# Altium PCB VIA5.PcbDoc
Units mil, origin at the board's own origin, x right, y up, seen from the top; angles counter-clockwise.
Board outline 2558.74 x 2204.72 mil, 2 copper layers (Top Layer, Bottom Layer); 72 components, 58 nets, 354 pads, 305 vias.
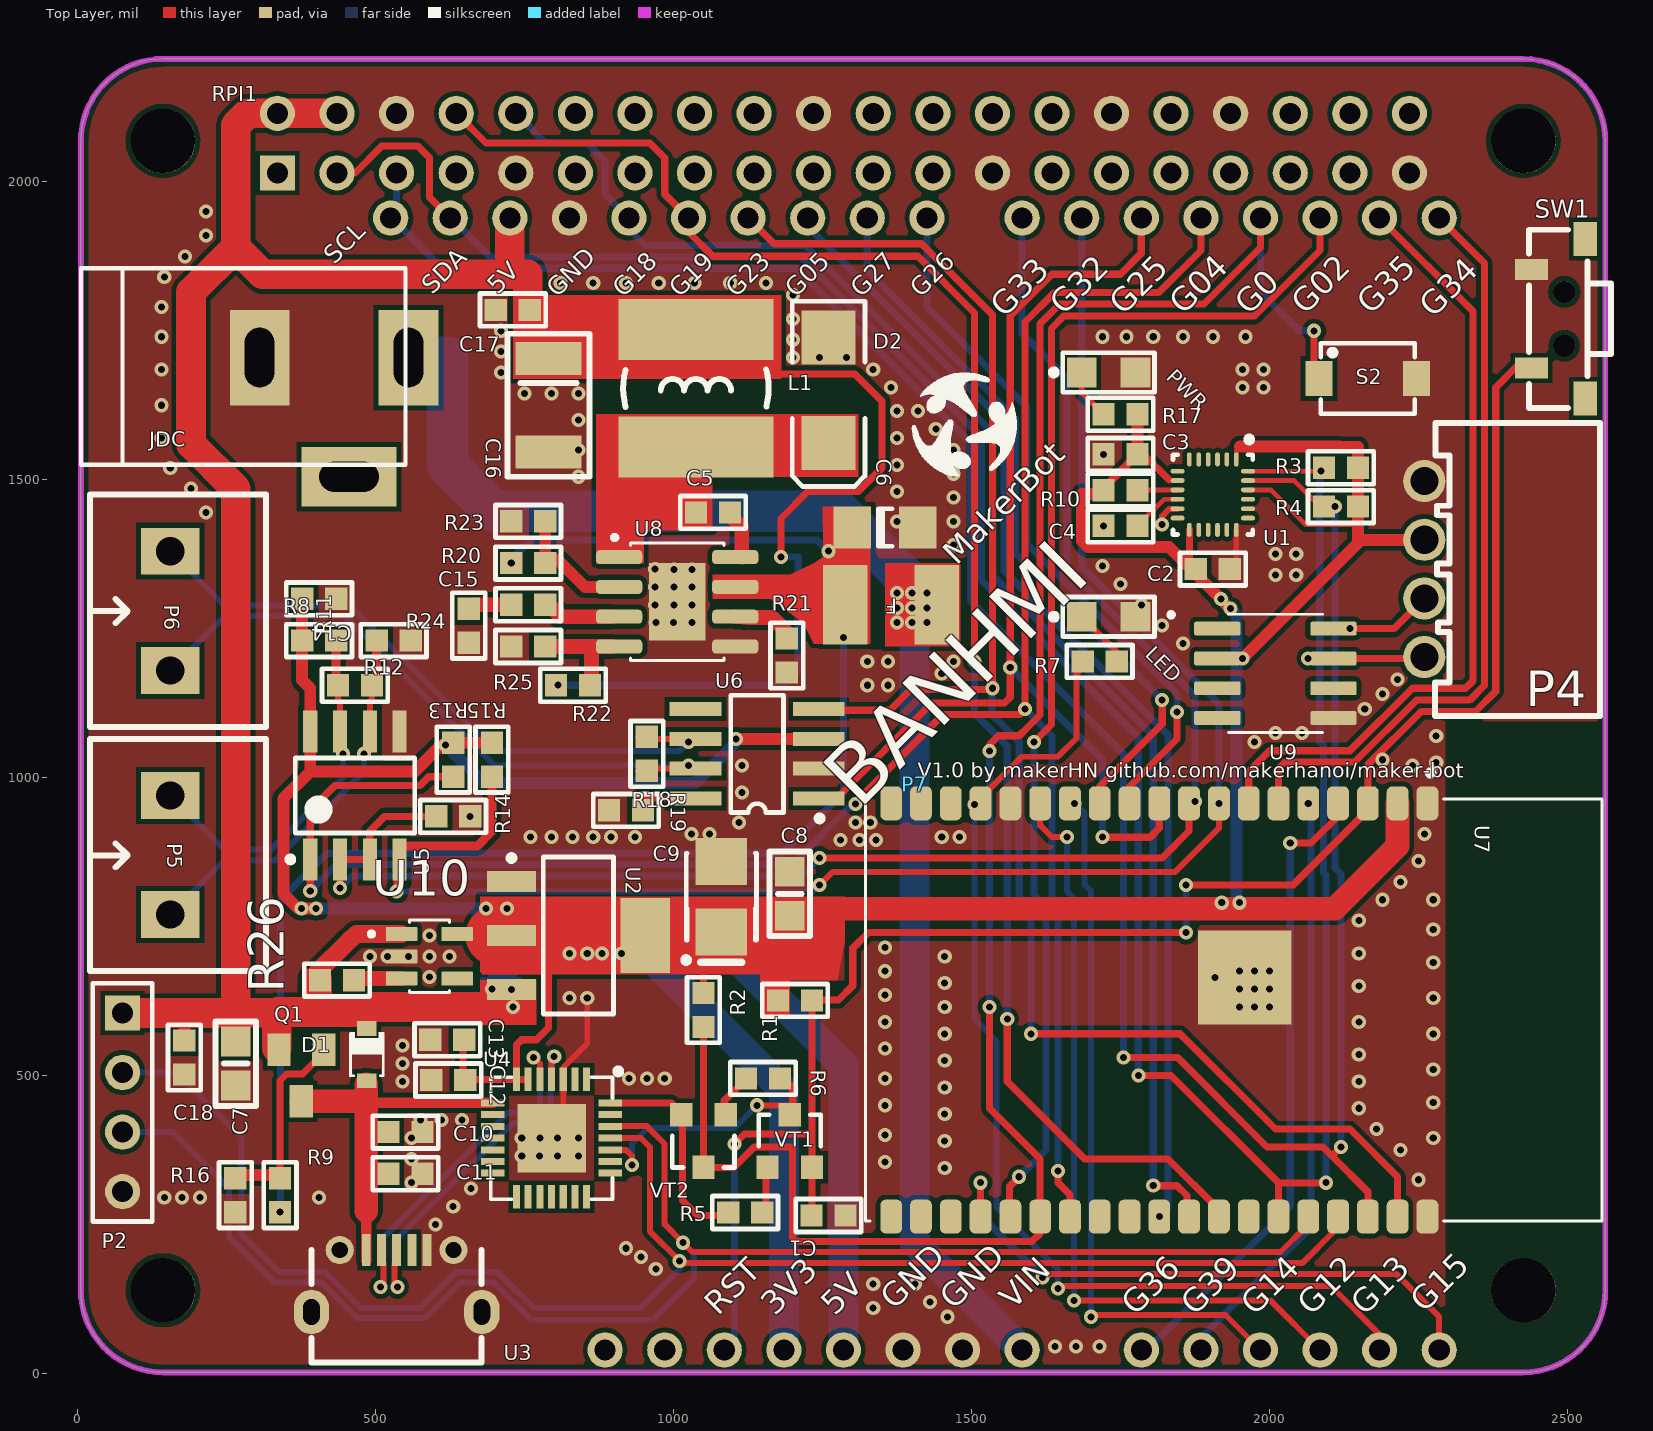
[diagram p0: Top Layer view]
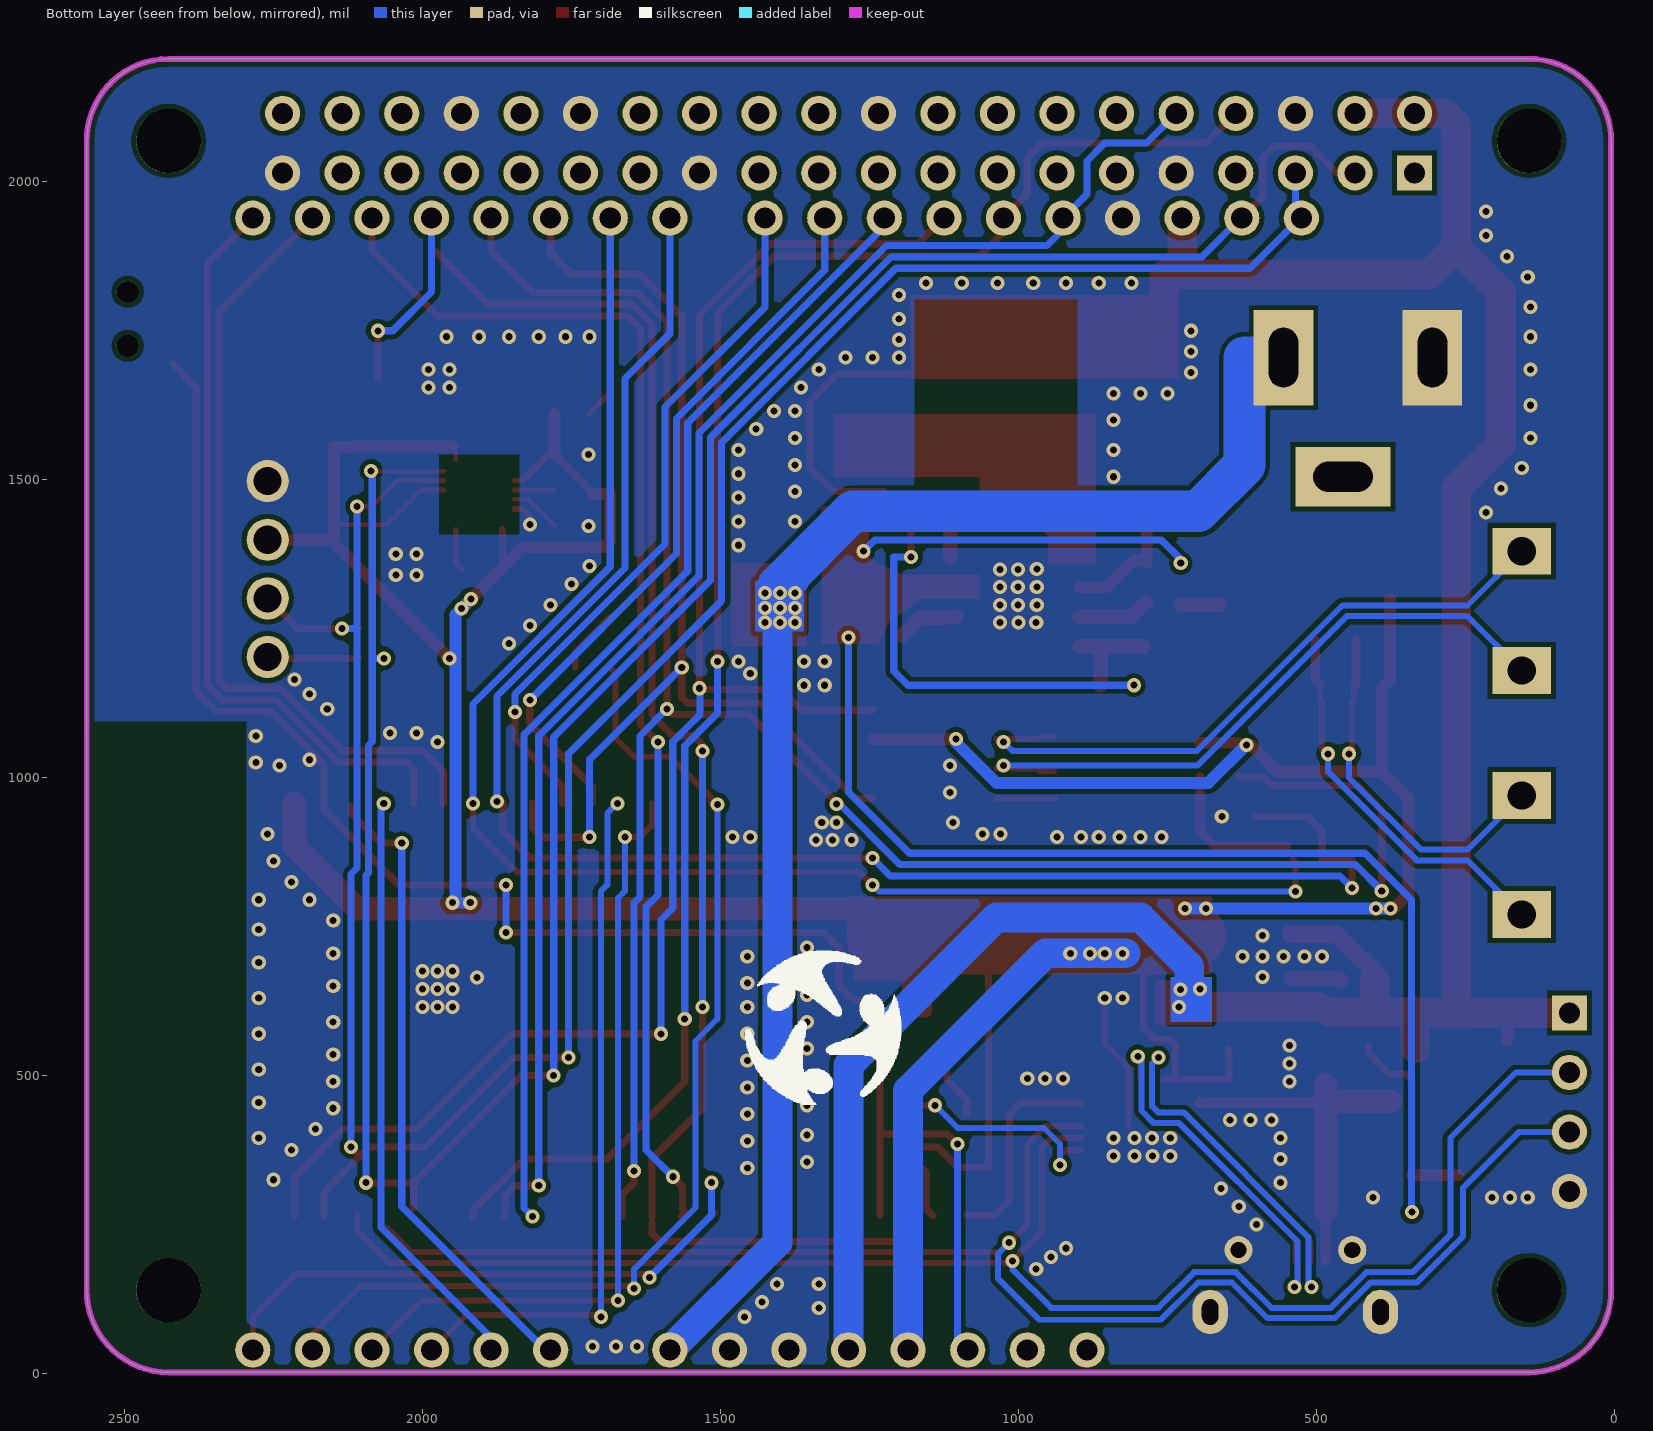
[diagram p1: Bottom Layer view, seen from below]

## Layer stack, top to bottom
Top Solder: solder mask 0.4, Solder Resist, Dk 3.5
Top Layer: signal copper 1.4
Dielectric 1: dielectric 12.6, FR-4, Dk 4.8
Bottom Layer: signal copper 1.4
Bottom Solder: solder mask 0.4, Solder Resist, Dk 3.5

## Board outline
5,139.49 5,2068.62 cw(c142.8,2068.62) 142.8,2206.42 2426.26,2206.42 cw(c2426.1,2068.78) 2563.74,2068.62 2563.74,139.49 cw(c2426.1,139.33) 2426.26,1.69 142.8,1.69 cw(c142.8,139.49)

## Design rules (kind name [scope] priority, off if disabled: settings)
Clearance Clearance_3 [InPolygon] p1: gap=8
Clearance Clearance_2 [InComponent('U1')] p2: gap=5
Clearance Clearance_1 [InComponent('U4')] p3: gap=5
Clearance [All] p4: gap=7
ComponentClearance ComponentClearance_2 [InComponent('RPI1')] p1: gap=0 collisioncheckmode=3 verticalgap=0 showdistances=FALSE
ComponentClearance ComponentClearance_1 [InComponent('P7')] p2: gap=0 collisioncheckmode=3 verticalgap=0 showdistances=FALSE
ComponentClearance [All] p3: gap=8 collisioncheckmode=3 verticalgap=8 showdistances=FALSE
DiffPairsRouting [All] p1: maxlimit=10 minlimit=5 mostfreqgap=8 toplayer_minwidth=5 toplayer_maxwidth=15 toplayer_prefwidth=8 bottomlayer_minwidth=5 bottomlayer_maxwidth=15 bottomlayer_prefwidth=8 maxuncoupledlength=500
PlaneConnect [All] p1: planeconnectstyle=Direct reliefexpansion=20 reliefentries=4 reliefconductorwidth=10 reliefairgap=10
PolygonConnect [All] p1: connectstyle=Direct reliefconductorwidth=10 reliefentries=4 polygonreliefangle="90 Angle" airgapwidth=10
RoutingVias [All] p1: holewidth=20 width=10 viastyle="Through Hole" minholewidth=11.81 minwidth=5 maxholewidth=25 maxwidth=590.55
SignalTopValue [All] p1: minimum=5.000
SolderMaskExpansion [All] p1: expansion=0
Width [All] p1: maxlimit=100 minlimit=5 preferedwidth=8
27 further rules are at their usual default settings.

## Classes and differential pairs
component class Usb_To_UART: C10 C11 C12 C13 R5 R6 U3 U4 VT1 VT2
component class RS485_CAN: C14 R8 R11 R12 R13 R14 R15 R18 R19 U5 U6
component class POWER: 20 C5 C6 C7 C8 C9 C15 C16 C17 C18 D1 D2 F JDC L1 PWR Q1 R9 R16 R17 R20 R21 R22 R23 R24 R25 R26 U2 U8 U10
component class main_esp: C1 C2 C3 C4 LED1 R1 R2 R3 R4 R7 R10 S2 SW1 U U1 U7 U9
component class CONNECTROS: P2 P4 P5 P6 P7 RPI1
differential pair D: +D_P -D_N
differential pair 485: +485_P -485_N
differential pair CAN: +CAN_P -CAN_N

## Components (designator, comment, footprint, x,y, rotation, side; value= is the part's Value field where it differs from the comment)
C1 "Cap Semi" SMT0603 1260,265 r180 top
C2 "Cap Semi" SMT0603 1905,1350 r180 top
C3 "Cap Semi" SMT0603 1750,1542.56 r0 top
C4 "Cap Semi" SMT0603 1750,1422.56 r180 top
C5 "Cap Semi" SMT0603 1065.95,1445.07 r0 top
C6 "Cap" 1206 1355,1420 r0 top
C7 "10uF 25V" SMT_C_0805 265,520 r270 top
C8 "10uF 25V" SMT_C_0805 1195,805 r90 top
C9 "100uF TAJB107M006RNJ" SMT_C_Tantalum_B 1080,800 r90 top
C10 "Cap Semi" SMT0603 550,405 r180 top
C11 "Cap Semi" SMT0603 550,335 r180 top
C12 "Cap Semi" SMT0603 621.84,492.41 r0 top
C13 "Cap Semi" SMT0603 620,560 r0 top
C14 "Cap Semi" SMT0603 405,1300 r180 top
C15 "Cap Semi" SMT0603 755.95,1290.07 r0 top
C16 "47uF" Tantal_B 790,1625 r270 top
C17 "Cap Semi" SMT0603 730,1785 r180 top
C18 "Cap Semi" SMT0603 178.71,530.3 r270 top
D1 "1N5819/SS14/S4(SOD_323)" SMT_DIODE_SOD_323 485,535 r90 top
D2 "SS34" SMB 1260,1650 r270 top
F "1812L075PR" 1812 1365,1290 r180 top
JDC "Jac DC" DC-IN 430,1605 r0 top
L1 "15uH" "Inductor SMD 6.8*6.8*4.5" 1037.37,1555.07 r90 top
LED "LED3" LED0805 1730,1270 r0 top (schematic designator LED1)
P2 "Header 4" HDR1X4 75,605 r270 top
P4 "Header 4" CONN-TH_XH2.54-4AW 2260,1350 r270 top
P5 "Header 2 - M" "Medium - Header 2" 155,870 r90 top
P6 "Header 2 - M" "Medium - Header 2" 155,1280 r90 top
P7 "ArduinoHeader" ArduinoClone2 1405,989.21 r0 top locked
PWR "LED3" LED0805 1730,1680 r0 top (schematic designator LED2)
Q1 "AO3401" SOT23 375,500 r180 top
R1 "Resistor" SMT0603 1203.77,625.97 r180 top
R2 "Resistor" SMT0603 1050,610 r90 top
R3 "Resistor" SMT0603 2120,1520 r0 top
R4 "Resistor" SMT0603 2120,1455 r0 top
R5 "Resistor" SMT0603 1120,270 r0 top
R6 "Resistor" SMT0603 1150,495 r180 top
R7 "Resistor" SMT0603 1715,1195 r0 top
R8 "Resistor" SMT0603 405,1230 r180 top
R9 "Resistor" SMT0603 339.27,299.09 r270 top
R10 "Resistor" SMT0603 1750,1482.56 r0 top
R11 "Resistor" SMT0603 465,1155 r180 top
R12 "Resistor" SMT0603 530,1230 r180 top
R13 "Resistor" SMT0603 630,1030 r90 top
R14 "Resistor" SMT0603 630,935 r180 top
R15 "Resistor" SMT0603 695,1030 r90 top
R16 "Resistor" SMT0603 264.27,299.09 r90 top
R17 "Resistor" SMT0603 1750,1610 r180 top
R18 "Resistor" SMT0603 955,1040 r270 top
R19 "Resistor" SMT0603 920,945 r0 top
R20 "Resistor" SMT0603 755.95,1360.07 r0 top
R21 "Resistor" SMT0603 1190,1205 r90 top
R22 "Resistor" SMT0603 830.95,1155.07 r0 top
R23 "Resistor" SMT0603 755.95,1430.07 r180 top
R24 "Resistor" SMT0603 655.95,1255.07 r90 top
R25 "Resistor" SMT0603 755.95,1220.07 r180 top
R26 "Resistor" SMT0603 435,660 r180 top
RPI1 "RPI GPIO Connector" rpi 1285,2065 r180 top locked
S2 "KEY_RST/USER" SMT_SW_PTS_820 2165,1670 r0 top
SW1 "1TS002G-2400-3500" KEY-SMD_1TS002G 2485,1770 r90 top
U1 "MPU-9250" QFN40P300X300X105_HS-25L 1905,1475 r270 top
U2 "NCP1117ST33T3G" SOT-223 840,735 r180 top
U3 "USB_Micro_5S_B" USB_MICRO_5S_B 535,207 r180 top locked
U4 "CP2102-GM" CP2102 795,395 r270 top
U5 "MAX485" SOP8 465,970 r90 top
U6 "SN65HVD233" PCBComponent_1 1140,1040 r90 top
U7 "ESP32-WROVER-I" "XCVR_ESP32-WROVER-I -nokeepput" 1940,610 r270 top locked
U8 "MP1584EN" SOIC127P600X170-9N 1005.95,1295.07 r0 top
U9 "DS3231MZ+" SOIC127P600X175-8N 2010,1175 r0 top
U10 "AP2112K-3.3TRG1" SOT95P285X140-5N 590,700 r0 top
VT1 "S8050" SMT_TRIODE_NPN 1195,390 r0 top
VT2 "S8050" SMT_TRIODE_NPN 1050,390 r180 top

## Footprints (in the part's own frame and the unit in brackets; to place one, negate y for a bottom-side part, rotate by r counter-clockwise, add the part's x,y. Pads: shape width x height; smd on the part's side, far side on the other; paste and mask are expansions set on the pad)
1206 [mm] "Chip Capacitor; Body 3.2 x 1.6 mm (LxW typ)"
  rect 1.6x1.8 smd: 1(-1.4,0) 2(1.4,0)
  silkscreen extent -0.3,-0.8 0.3,0.8
1812 [mm]
  rect 1.9x3.4 smd: 1(-1.95,0) 2(1.95,0)
ArduinoClone2 [mm] "Base for Arduino-like boards."
  round 1.5 hole 0.9: 1(-13.208,-24.13) 2(-10.668,-24.13) 3(-8.128,-24.13) 4(-5.588,-24.13) 5(-3.048,-24.13) 6(-0.508,-24.13) 7(2.032,-24.13) 8(4.572,-24.13) 9(9.652,-24.13) 10(12.192,-24.13) 11(14.732,-24.13) 12(17.272,-24.13) 13(19.812,-24.13) 14(22.352,-24.13) 15(22.352,24.13) 16(19.812,24.13) 17(17.272,24.13) 18(14.732,24.13) 19(12.192,24.13) 20(9.652,24.13) 21(7.112,24.13) 22(4.572,24.13) 23(0.508,24.13) 24(-2.032,24.13) 25(-4.572,24.13) 26(-7.112,24.13) 27(-9.652,24.13) 28(-12.192,24.13) 29(-14.732,24.13) 30(-17.272,24.13) 31(-19.812,24.13) 32(-22.352,24.13)
CONN-TH_XH2.54-4AW [mm]
  round 1.8 hole 1.199: 1(-3.75,0) 2(-1.248,0) 3(1.251,0) 4(3.75,0)
  silkscreen extent -6.23,0.46 6.26,7.49, body extent -6.25,-1.48 6.25,7.32, height 6.55
CP2102 [mm]
  rect 1x0.3 smd: 1(-2.5,1.5) 2(-2.5,1) 3(-2.5,0.5) 4(-2.5,0) 5(-2.5,-0.5) 6(-2.5,-1) 7(-2.5,-1.5) 15(2.5,-1.5) 16(2.5,-1) 17(2.5,-0.5) 18(2.5,0) 19(2.5,0.5) 20(2.5,1) 21(2.5,1.5)
  rect 0.3x1 smd: 8(-1.5,-2.5) 9(-1,-2.5) 10(-0.5,-2.5) 11(0,-2.5) 12(0.5,-2.5) 13(1,-2.5) 14(1.5,-2.5) 22(1.5,2.5) 23(1,2.5) 24(0.5,2.5) 25(0,2.5) 26(-0.5,2.5) 27(-1,2.5) 28(-1.5,2.5)
  rect 2.921x2.921 smd paste-3.2: 29(0,0)
  silkscreen extent -2.97,-2.6 2.6,2.97, body extent -2.5,-2.5 2.5,2.5, height 1
DC-IN [mil] "Jac DC input"
  rect 100x160 hole 50 slot 100 at 90 deg: 1(125,100) 2(-125,100)
  rect 160x100 hole 50 slot 100 at 0 deg: 3(25,-100)
  silkscreen extent -425,-80 120,250, body extent -410,-105 134,269, height 434
HDR1X4 [mm] "Connector; Header; 4 Position"
  rect 1.5x1.5 hole 0.9: 1(0,0)
  round 1.5 hole 0.9: 2(2.54,0) 3(5.08,0) 4(7.62,0)
  silkscreen extent -1.27,-1.27 8.89,1.27
"Inductor SMD 6.8*6.8*4.5" [mm]
  rect 2.6x6.6 smd: 1(0,0) 2(5,0)
  silkscreen extent 1.7,-3.1 3.3,3.1, body extent -0.48,-2.99 5.5,2.99, height 4.5
KEY-SMD_1TS002G [mm]
  rect 0.9x1.4 smd: 1(-2.1,1.15) 2(2.1,1.15)
  rect 1.45x1 smd: 3(3.4,-1.15) 4(-3.4,-1.15)
  round 0.95 hole 0.95 unplated: ""(-1.15,-0.25) ""(1.15,-0.25)
  silkscreen extent -3.8,-2.25 3.8,1.25
LED0805 [mil] "Chip Resistor; Body 2.0 x 1.3 mm (LxW typ)"
  rect 50x50 smd: 1(-45,0) 2(45,0)
  silkscreen extent -97,-33 77,33, body extent -60,-25 60,25, height 47
"Medium - Header 2" [mm]
  rect 2x2.5 hole 1.2: 1(-2.54,0) 2(2.54,0)
  silkscreen extent -4.95,-4.08 4.95,3.43, body extent -5,-4.07 5,3.43, height 10
PCBComponent_1 [mm]
  rect 0.6x2.2 smd: 1(-1.905,-2.625) 2(-0.635,-2.625) 3(0.635,-2.625) 4(1.905,-2.625) 5(1.905,2.625) 6(0.635,2.625) 7(-0.635,2.625) 8(-1.905,2.625)
  silkscreen extent -2.88,-2.79 2.5,1.13, body extent -2.54,-1.4 2.54,1.4, height 2.65
QFN40P300X300X105_HS-25L [mm] "QFN, 24-Leads, Body 3.00x3.00mm, Pitch 0.40mm, Thermal Pad 1.70x1.54mm, IPC High Density"
  oval 0.6x0.2 smd: 1(-1.5,1) 2(-1.5,0.6) 3(-1.5,0.2) 4(-1.5,-0.2) 5(-1.5,-0.6) 6(-1.5,-1) 13(1.5,-1) 14(1.5,-0.6) 15(1.5,-0.2) 16(1.5,0.2) 17(1.5,0.6) 18(1.5,1)
  oval 0.2x0.6 smd: 7(-1,-1.5) 8(-0.6,-1.5) 9(-0.2,-1.5) 10(0.2,-1.5) 11(0.6,-1.5) 12(1,-1.5) 19(1,1.5) 20(0.6,1.5) 21(0.2,1.5) 22(-0.2,1.5) 23(-0.6,1.5) 24(-1,1.5)
  rect 0x0 smd: 25(0,0)
  silkscreen extent -2.47,-1.7 1.7,1.7, body extent -1.55,-1.55 1.55,1.55, height 1.05
rpi [mm]
  rect 1.5x1.5 hole 0.9: 1(24.13,1.27)
  round 1.5 hole 0.9: 2(24.13,-1.27) 3(21.59,1.27) 4(21.59,-1.27) 5(19.05,1.27) 6(19.05,-1.27) 7(16.51,1.27) 8(16.51,-1.27) 9(13.97,1.27) 10(13.97,-1.27) 11(11.43,1.27) 12(11.43,-1.27) 13(8.89,1.27) 14(8.89,-1.27) 15(6.35,1.27) 16(6.35,-1.27) 17(3.81,1.27) 18(3.81,-1.27) 19(1.27,1.27) 20(1.27,-1.27) 21(-1.27,1.27) 22(-1.27,-1.27) 23(-3.81,1.27) 24(-3.81,-1.27) 25(-6.35,1.27) 26(-6.35,-1.27) 27(-8.89,1.27) 28(-8.89,-1.27) 29(-11.43,1.27) 30(-11.43,-1.27) 31(-13.97,1.27) 32(-13.97,-1.27) 33(-16.51,1.27) 34(-16.51,-1.27) 35(-19.05,1.27) 36(-19.05,-1.27) 37(-21.59,1.27) 38(-21.59,-1.27) 39(-24.13,1.27) 40(-24.13,-1.27)
  body extent -25.4,-2.49 25.4,2.59, height 2.7
SMB [mm]
  rect 2.3x2.3 smd: 1(-2.25,0) 2(2.25,0)
  silkscreen extent -3.8,-1.55 4.1,1.55
SMT0603 [mm]
  rect 0.95x0.95 smd: 1(-0.725,0) 2(0.725,0)
  silkscreen extent -1.4,-0.7 1.4,0.7, body extent -1.02,-0.45 1.03,0.45, height 2.65
SMT_C_0805 [mil]
  rect 50x50 smd: 1(-37,0) 2(37,0)
  silkscreen extent -71,-34 71,34, body extent -49,-24 49,25, height 31
SMT_C_Tantalum_B [mm]
  rect 2x2.2 smd: 1(-1.5,0) 2(1.5,0)
  silkscreen extent -2.82,-1.5 1.85,1.62, body extent -1.75,-1.4 1.75,1.4, height 1.9
SMT_DIODE_SOD_323 [mm]
  rect 0.63x0.83 smd: 1(-1.115,0) 2(1.115,0)
  silkscreen extent -0.9,-0.7 0.96,0.7, body extent -1.35,-0.62 1.35,0.62, height 1.1
SMT_SW_PTS_820 [mm]
  rect 1.143x1.5 smd: 1(-2.075,0) 2(2.075,0)
  round 0 all layers, no hole paste-2.54 mask-2.54: MH1(0,0.9) MH2(0,-0.9)
  silkscreen extent -2,-1.5 2,1.5, body extent -2.25,-1.55 2.25,1.55, height 2.05
SMT_TRIODE_NPN [mm]
  rect 0.95x1 smd: 1(-0.95,-1.125) 2(0.95,-1.125) 3(0,1.125)
  silkscreen extent -1.33,-0.22 1.32,1.13, body extent -1.45,-1.4 1.45,1.4, height 1.3
SOIC127P600X170-9N [mm]
  rrect54% 1.97x0.6 smd: 1(-2.475,1.905) 2(-2.475,0.635) 3(-2.475,-0.635) 4(-2.475,-1.905) 5(2.475,-1.905) 6(2.475,-0.635) 7(2.475,0.635) 8(2.475,1.905)
  rect 2.41x3.3 smd paste-3: 9(0,0)
  silkscreen extent -2.77,-2.5 2,2.84
SOIC127P600X175-8N [mm]
  rrect25% 1.97x0.59 smd: 1(-2.475,1.905) 2(-2.475,0.635) 3(-2.475,-0.635) 4(-2.475,-1.905) 5(2.475,-1.905) 6(2.475,-0.635) 7(2.475,0.635) 8(2.475,1.905)
  silkscreen extent -4.54,-2.52 2,2.59
SOP8 [mm]
  rect 1.8x0.6 smd: 1(-2.725,1.905) 2(-2.725,0.635) 3(-2.725,-0.635) 4(-2.725,-1.905) 5(2.725,-1.905) 6(2.725,-0.635) 7(2.725,0.635) 8(2.725,1.905)
  silkscreen extent -2.85,-2.55 1.6,2.88, body extent -3.02,-2.51 3.02,2.51, height 1.6
SOT23 [mm]
  rect 1x1.4 smd: 1(-0.95,-1.1) 2(0.95,-1.1) 3(0,1.1)
SOT95P285X140-5N [mm]
  rrect15% 1.35x0.6 smd: 1(-1.185,0.95) 2(-1.185,0) 3(-1.185,-0.95) 4(1.185,-0.95) 5(1.185,0.95)
  silkscreen extent -2.57,-1.55 0.85,1.55
SOT-223 [mm]
  rect 2.1x0.9 smd: 1(2.85,-2.3) 2(2.85,0) 3(2.85,2.3)
  rect 2.1x3.2 smd: 2(-2.85,0)
  silkscreen extent -1.5,-3.42 2.97,3.35, body extent -3.54,-3.25 3.54,3.25, height 1.65
Tantal_B [mm]
  rect 1.4x2.8 smd: 1(-2,0) 2(2,0)
  silkscreen extent -3.05,-1.75 3.05,1.75, body extent -1.8,-1.4 1.7,1.4, height 1.9
USB_MICRO_5S_B [mil]
  rect 15x54 smd: 1(51,0) 2(25.5,0) 3(0,0) 4(-25.5,0) 5(-51,0)
  oval 59.06x74.8 hole 27.56 slot 43.31 at 90 deg: 6(-143,104) 7(143,104)
  round 47.24 hole 27.5: 8(95.5,0) 9(-95.5,0)
  silkscreen extent -143,0 143,189, body extent -161,-9 161,204, height 105
"XCVR_ESP32-WROVER-I -nokeepput" [mm]
  rrect50% 1.45x0.93 smd: 1(-8.81,8.26) 2(-8.81,6.99) 3(-8.81,5.72) 4(-8.81,4.45) 5(-8.81,3.18) 6(-8.81,1.91) 7(-8.81,0.64) 8(-8.81,-0.63) 9(-8.81,-1.9) 10(-8.81,-3.17) 11(-8.81,-4.44) 12(-8.81,-5.71) 13(-8.81,-6.98) 14(-8.81,-8.25) 15(-8.81,-9.52) 16(-8.81,-10.79) 17(-8.81,-12.06) 18(-8.81,-13.33) 19(-8.81,-14.6) 20(8.81,-14.6) 21(8.81,-13.33) 22(8.81,-12.06) 23(8.81,-10.79) 24(8.81,-9.52) 25(8.81,-8.25) 26(8.81,-6.98) 27(8.81,-5.71) 28(8.81,-4.44) 29(8.81,-3.17) 30(8.81,-1.9) 31(8.81,-0.63) 32(8.81,0.64) 33(8.81,1.91) 34(8.81,3.18) 35(8.81,4.45) 36(8.81,5.72) 37(8.81,6.99) 38(8.81,8.26)
  rect 4x4 smd paste-3: 39(-1.38,0.47)
  silkscreen extent -10.22,-15.7 9,15.7, body extent -9,-15.83 9,15.57, height 3.3

## Part data
C1 C2 C4 C5 C10 C12 C15 C17: library part CAP-SM-0603-X5R-10uF, "CAP SM 0603 X5R 10uF 10%"
C3 C11 C13 C14 C18: library part CAP-SM-0603-X7R-100nF, "CAP SM 0603 X7R 100nF 10%"
C6: "Capacitor"
C7 C8: library part SMT_C_0805, "Surface mount capacitor 0805"
C9: library part SMT_C_Tantalum_B, "Capacitor, SM Tantalum; Body 3.5 x 2.8 mm (LxW typ)"
C16: library part "Cap Pol", "Polarized Capacitor (Axial)"
D1: library part SMT_DIODE_SCHOTTKY_SOD_323, "Surface mount schottky diode SOD-323(0805) Package"
D2: library part "D Schottky", "Schottky Diode"
F: "Polymeric PTC Resettable Fuse 13.2V 750mA Ih Surface Mount 1812 _4532 Metric_, Concave"
JDC: library part DCIN, "Jac DC input"
L1: library part Inductor
LED PWR: library part LED0805, "LED SMD 0805"
P2 P4: "Header, 4-Pin"
P5 P6: "Header, 2-Pin, Medium"
Q1: "P-Channel 30V 4A _Ta_ 1.4W _Ta_ Surface Mount SOT-23-3"
R1 R2 R3 R4 R5 R6 R8 R9 R10 R11 R12 R13 R14 R15 R16 R18 R19: library part RES-SM-0603-10K, "RES SM 0603 10K"
R7: library part RES-SM-0603-1K, "RES SM 0603 1K"
R17 R20 R21 R22 R23 R24 R25 R26: library part RES-SM-0603-100K, "RES SM 0603 100K"
RPI1: library part "rpi connector", "GPIO Header for Raspberry Pi A+/B+/Pi 2/Pi 3 - 2x20"
S2: library part SMT_SW_PTS_820, "SMT Tactile ?Switch PTS 820 Series"
U2: library part NCP1117, "NCP1117, NCV1117. 1.0 A Low-Dropout Positive  Fixed and Adjustable  Voltage Regulators"
U3: "USB micro female SMT with 4 fixed foot"
U4: "Single-Chip USB to UART Bridge, 1024 Bytes EEPROM, -40 to 85 degC, 28-pin QFN, Tube"
U7: "Bluetooth, WiFi 802.11b/g/n, Bluetooth v4.2 + EDR, Class 1, 2 and 3 Transceiver Module 2.4GHz ~ 2.5GHz Antenna Not Included, I-PEX Surface Mount"
U8: "Buck Switching Regulator IC Positive Adjustable 0.8V 1 Output 3A 8-SOIC _0.154, 3.90mm Width_ Exposed Pad"
U9: "Real Time Clock _RTC_ IC Clock/Calendar I²C, 2-Wire Serial 8-SOIC _0.154, 3.90mm Width_"
U10: "Linear Voltage Regulator IC 1 Output 600mA SOT-25"
VT1 VT2: library part SMT_TRIODE_NPN, "Surface mount NPN transistor, package SOT-23"

## Free pads (board coordinates)
  round 108.27 hole 108.27: ""(142.8,139.49) ""(142.8,2068.62) ""(2426.26,139.49) ""(2426.26,2068.62)

## Via types
v1: diameter 23.62, hole 11.81, Top Layer to Bottom Layer, tented both sides, 305 vias

## Nets (pads, with @x,y where several pads share a name; then routed paths per layer and width w, separated by ;. In a path a pad name is that pad's centre, name@x,y a point inside that pad or via, vN(x,y) a via of type N, cw(c..) or ccw(c..) an arc to the next point about the centre after c; other vN are vias at no path point)
3.3V: C2.2 C3.2 C8.1 C9.1 C12.2 C13.2 C14.2 P4.2 P7.4 R1.2 R2.2 R3.2 R4.2 R8.2 R10.1 R13.2 R15.2 R17.1 U1.1 U1.8 U1.13 U1.22 U2.2 U4.6 U4.7 U5.8 U6.3 U7.2 U9.2 U10.5 | length 6944.9
  Top Layer w8: 1831.38,1498.62 U1.8 ; U1.1 1944.37,1549.37 1950.7,1555.7 ; U1.22 2002.13,1482.87 2060.73,1424.27 2147.81,1424.27
  Top Layer w10: U4.7 U4.7@735.95,503.75
  Top Layer w12: C13.2@648.54,545 646.7,543.16 646.7,493.42 U4.7 U4.6 ; U4.7@735.95,503.75 735.95,550.95 745,560 770,560 790,580 790,680 ; R2.2 1050,680 ; C3.2 1788.69,1542.56 1831.38,1499.87 ; C2.2@1865.63,1360.83 U1.13
  Top Layer w13: R10.1@1721.46,1485.47 C3.2
  Top Layer w20: v1(375,780) 370,780 345,805 345,965 390,1010 ; C14.2 R8.2 376.46,1163.54 390,1150 U5.8 390,1010 ; R15.2 R13.2 626.46,1055 v1(617.09,1055) 610,1055 565,1010 390,1010 ; v1(1105,1065) U6.3 ; R10.1@1714.6,1475.7 1685.76,1475.7 1685.76,1396.82 1695.71,1386.86 1831.69,1386.86 v1(1918.54,1300) ; C3.2 R17.1 ; 1950.7,1555.7 2117.2,1555.7 2117.9,1555 2148.54,1555 R3.2 R4.2 2148.54,1393.54 v1(1955,1200) ; 2154.15,1399.15 P4.2
  Top Layer w25: U2.2@952.2,735 U2.2@960,727.2
  Top Layer w30: 702.8,710 U2.2@727.8,735
  Top Layer w40: 1260,780 2110,780 2215.2,885.2 U7.2
  Top Layer w100: U2.2@700.5,735 U2.2@727.8,735 ; U2.2@727.8,736.41 U2.2@727.8,735 ; 825,735 U2.2@727.8,735 ; U2.2@925,735 952.2,735 1195,735
  Bottom Layer w20: v1(375,780) v1(400,780) v1(685,780) v1(720,780) ; v1(617.09,1055) 680.9,991.19 1036.93,991.19 1105,1059.26 v1(1105,1065) ; v1(1918.54,1300) v1(1935,1283.54) 1945,1273.54 1945,795 v1(1950,790) v1(1920,790)
  Bottom Layer w50: v1@820,705 v1(825,705) v1(855,705) v1(880,705) v1(912.83,705) 955,705 1185,475 P7.4
5V: C7.1 C16.1 C17.1 C18.1 D1.2 L1.2 P2.1 P7.5 P7.30 Q1.2 R22.1 R26.2 RPI1.2 RPI1.4 U2.3 U10.1 | length 5861.2
  Top Layer w12: 165,605 178.71,591.29 ; 1170,1677.5 1303.89,1677.5 1350,1631.39 1350,1520 1310,1480 1225,1480 1180,1435 v1(1180,1370)
  Top Layer w20: C18.1 178.71,591.29
  Top Layer w30: R26.2@401.46,660 401.46,672.72 457.55,728.81 458.81,728.81 467.4,737.4 U10.1
  Top Layer w50: P2.1 165,605 233.91,605 234.05,605.14 265,605.14 ; Q1.2@333.87,546.15 333.87,605.14 ; R26.2@401.46,660 401.46,611.46 396.59,606.59 ; RPI1.4 RPI1.2 285,2115 265,2095 265,1890 ; 475,606.59 396.59,606.59 ; 496.34,615.14 v1(730,615.14) ; 725,1875 P7.30 ; C16.1@785,1723.74 755,1753.74 755,1845 310,1845 265,1890 ; 875.95,1746.92 875.95,1759.05 ; 265,605.14 333.87,605.14 ; 265,605.14 265,1485 190,1560 190,1815 265,1890 ; 333.87,605.14 335.33,606.59 396.59,606.59
  Bottom Layer w12: v1(805.95,1155.07) 1185,1155.07 1209.08,1179.15 1209.08,1370 v1(1180,1370)
  Bottom Layer w50: 713,653 713,683 795,765 1037.07,765 1285,517.07 P7.5
  other v1: 727.8,644.45 695,645
485_N: P5.2 R8.1 R11.2 U5.7 | length 615.8
  Top Layer w10: R11.2 436.46,1131.3 440,1127.76 U5.7 440,1036.85 441.85,1036.85 v1(445,1040)
  Top Layer w15: R11.2@433.54,1157.91 R8.1
  Bottom Layer w10: P5.2 246,879 324,879 445,1000 v1(445,1040)
485_P: P5.1 R11.1 R12.2 U5.6 | length 655.3
  Top Layer w10: v1(480,1040) 482.93,1040 490,1047.07 U5.6 490,1127.76 493.54,1131.3 R11.1
  Top Layer w15: R11.1 501.46,1162.91 R12.2
  Bottom Layer w10: P5.1 246,861 331.46,861 480,1009.54 v1(480,1040)
CAN_N: P6.2 R18.1 U6.6 | length 1113.1
  Top Layer w10: R18.1@940,1068.54 963.7,1068.54 967.24,1065 U6.6
  Bottom Layer w10: P6.2 246,1289 456.2,1289 700.2,1045 1010,1045 v1(1025,1060)
CAN_P: P6.1 R18.2 U6.7 | length 1109.8
  Top Layer w10: R18.2@940,1011.46 963.7,1011.46 967.24,1015 U6.7
  Bottom Layer w10: P6.1 246,1271 448.74,1271 699.74,1020 v1(1025,1020)
CAN_RX: P7.26 U6.4 U7.37 | length 2800.3
  Top Layer w12: P7.26 1168.21,1896 1415.87,1896 1535,1776.87 v1(1535,1150) 1533,1148 1398,1148 1363,1113 1245.35,1113 U6.4 ; v1(1600,570) 1850,570 ; 1850,568 1852,568 2010,410 2135.2,410 2215.2,330 U7.37
  Bottom Layer w12: v1(1535,1150) 1534.09,1149.09 1534.09,1105.91 1555.19,1084.81 1555.19,1084.72 1574.72,1065.19 1574.81,1065.19 1580.19,1059.81 1580.19,781 1600,761.19 v1(1600,570)
CAN_TX: P7.20 U6.1 U7.10 | length 1847.1
  Top Layer w12: U6.1 1273.13,965 1433.32,1125.19 1555.19,1125.19 1565,1135 v1(1565,1185) 1565,1775 1635,1845 1750,1845 1785,1880 P7.20 ; v1(1720,900) 1800,900 1815.2,915.2 U7.10
  Bottom Layer w12: v1(1565,1185) 1720,1030 v1(1720,900)
D_N: U3.2 U4.5 | length 630.4
  Top Layer w10: v1(508.25,145) 513.25,150 513.25,184.25 509.5,188 U3.2@509.5,220 ; v1(765,530) 774.84,520.16 775.32,520.16 U4.5
  Bottom Layer w10: v1(508.25,145) 513.25,150 513.25,228.71 722.54,438 765,438 775.32,448.32 775.32,520.16
D_P: U3.3 U4.4 | length 637.3
  Top Layer w10: U3.3@535,220 535,188 531.25,184.25 531.25,150 v1(536.25,145) ; U4.4 v1@795,527
  Bottom Layer w10: v1(536.25,145) 531.25,150 531.25,221.25 730,420 772.46,420 793.32,440.86 793.32,525.77 v1(799.55,532)
DI: P7.21 R15.1 U5.4 U7.8 | length 2859.4
  Top Layer w10: v1(535,809) 535,857.72 U5.4 ; v1(1245,820) 1266.31,841.31 1841.31,841.31 1915.2,915.2 v1(1915.2,956.85)
  Top Layer w15: U5.4@550,885 670,885 695,910 R15.1
  Bottom Layer w10: v1(535,809) 1234,809 v1(1245,820)
  Bottom Layer w12: P7.21@1679,1950 1685,1944 1685,1353.83 1915.2,1123.63 v1(1915.2,956.85)
DTR: R5.1 U4.28 VT2.2 | length 356.3
  Top Layer w12: U4.28 995.95,454.05 1015,435 1015,290 1040,265 R5.1@1086.46,265
GND: C1.1 C2.1 C3.1 C4.2 C6.2 C7.2 C8.2 C9.2 C10.1 C11.1 C12.1 C13.1 C14.1 C16.2 C17.2 C18.2 D2.1 JDC.2 LED.2 P2.4 P4.1 P7.6 P7.7 P7.29 PWR.2 R12.1 R14.1 R16.1 R19.1 R21.1 R23.2 R24.1 R25.2 RPI1.6 RPI1.9 RPI1.20 RPI1.25 RPI1.30 RPI1.34 RPI1.39 S2.2 SW1.2 U1.11 U1.18 U1.20 U2.1 U3.5 U3.6 U3.7 U3.8 U3.9 U4.3 U4.29 U5.5 U6.2 U7.1 U7.15 U7.38 U7.39 U8.5 U8.9 U9.5 U10.2 | length 348
  Top Layer w10: U4.29@814.69,414.68 814.69,473.37 815,473.05 815,513.78 855,553.78 v1(855,630) ; v1(1820,1425) 1820,1438.96 1832.17,1451.13 U1.11@1845.94,1451.13 ; C2.1 1944.37,1360.83 U1.18
  other v1: 1640,45 1675,45 1715,45 1460,95 1335,110 1430,120 1335,150 1405,150 970,175 945,195 920,210 600,250 630,280 145,295 175,295 205,295 405,295 660,310 560,320 2250,325 1455,345 1355,355 560,360 745,365 775,365 805,365 840,365 2220,375 1455,390 560,395 745,395 775.32,395 805,395 840,395 2275,395 1355,400 2180,410 575,425 610,425 645,425 1455,435 2150,445 1355,450 2275,455 1455,480 545,490 2150,490 925,495 955,495 985,495 1355,495 2275,510 545,520 1455,525 2150,535 1355,545 545,550 1455,570 2275,570 1355,590 2150,590 1455,615 1950,615 1975,615 2000,615 825,630 2275,630 1355,635 1950,645 1975,645 2000,645 2150,650 1455,655 1908.66,664.4 590,665 1355,675 1950,675 1975,675 2000,675 2275,690 490,700 520,700 555,700 590,700 623.46,700 1455,700 2150,705 1355,715 590,735 2275,745 2150,760 2190,795 2275,795 2220,825 2250,860 1280,895 1312.05,895 1340,895 760,900 795,900 830,900 865,900 895,900 935,900 1450,900 1480,900 1030,905 1060,905 2260,905 1110,925 1305,925 1330,925 658.54,935 1115,975 1115,1020 2240,1020 2280,1025 2190,1030 1975,1060 2280,1070 2010,1075 2055,1075 2160,1115 2190,1140 1325,1155 1360,1155 2215,1165 1450,1175 1325,1195 1360,1195 1470,1195 1855,1225 1820,1255 970,1260 1000,1260 1030.95,1260 969.05,1289.75 1000.64,1289.75 1030.95,1290.07 1785,1290 969.06,1320.07 1000.95,1320.07 1030.95,1320.07 1750,1325 2010,1340 2045,1340 1000.64,1349.2 1030.95,1349.2 969.06,1350.27 1720,1355 2010,1375 2045,1375 1470,1390 1721.46,1422.56 1375,1430 1470,1430 215,1445 1470,1470 1375,1480 190,1485 840,1505 1470,1510 155,1520 1375,1525 1721.46,1542.56 840,1550 1470,1550 140,1570 1375,1570 1440,1585 840,1600 1375,1615 1410,1615 140,1625 750,1645 795,1645 840,1645 1365,1655 1955,1655 1990,1655 710,1680 140,1685 1335,1685 1955,1685 1990,1685 1200,1705 1245,1705 1290,1705 710,1715 1200,1735 140,1740 1720,1740 1760,1740 1805,1740 1855,1740 1905,1740 1960,1740 710,1750 1200,1770 140,1790 1200,1810 810,1830 865,1830 920,1830 975,1830 1035,1830 1095,1830 1155,1830 145,1840 180,1875 215,1910 215,1950
IO0: P7.18 R2.1 S2.1 U7.25 VT2.3 | length 3388.2
  Top Layer w12: R2.1@1050,591.46 VT2.3 1100.83,345.71 1135.12,380 1199.76,380 1199.76,225.24 1203.39,221.61 1601.61,221.61 1615.2,235.2 U7.25@1615.2,253.28 ; v1(1530,615) 1530,445 1615.2,359.8 U7.25 ; v1(1530,1045) 1530,1055 1545.28,1070.28 1580.19,1070.28 1594.72,1084.81 1615,1105.1 1615,1761.87 1648.13,1795 1890,1795 1985,1890 P7.18 ; S2.1@2075,1670.01 v1(2075,1750)
  Bottom Layer w12: v1(1530,615) v1(1530,1045) ; P7.18 1985,1815 2050,1750 v1(2075,1750)
IO2: P7.17 U7.24 | length 2100.5
  Top Layer w12: U7.24 1561,267.35 1561,274 1564,274 1564,314 v1(1580,330) ; v1(1605,1060) 1634,1089 1634,1754 1654.81,1774.81 1974.81,1774.81 2085,1885 P7.17
  Bottom Layer w12: v1(1580,330) 1624.81,374.81 1624.81,783.32 1605,803.13 v1(1605,1060)
IO4: P7.19 R13.1 U5.1 U7.26 | length 3671.6
  Top Layer w12: v1(390,810) U5.1 390,945 432,987 574.53,987 588.98,1001.46 R13.1 ; v1@1301.31,955 1452.5,1106.19 1581,1106.19 v1(1589.81,1115) 1589.81,1764.81 1639,1814 1814,1814 1885,1885 P7.19 ; v1@1301.93,955.62 v1(1305.46,955.62) ; v1(1645,340) 1645,320 1665.2,299.8 U7.26
  Bottom Layer w12: v1(390,810) 434,854 1198.91,854 1305.46,960.55 v1(1305.46,955.62) ; v1(1589.81,1115) 1590,1115 1635.19,1069.81 1635.19,799.81 1645,790 v1(1645,340)
IO5: P7.25 U7.29 | length 1933
  Bottom Layer w12: P7.25@1226.04,1940 1226.04,1923.96 1555,1595 1555,1346.64 1829.81,1071.83 1829.81,277.76 v1(1815.2,263.15)
IO12: P7.12 U7.14 | length 1320.2
  Top Layer w10: U7.14 1615.2,919.8 1635,900 v1(1660,900) ; v1(1672.08,122.08) 2002.13,122.08 P7.12
  Bottom Layer w10: v1(1660,900) 1660,810 1672.08,797.92 v1(1672.08,122.08)
IO13: P7.13 R7.1 U7.16 | length 1815.9
  Top Layer w10: U7.16 1515.2,966.02 1584.17,1035 1645,1035 1676.46,1066.46 1676.46,1175 R7.1@1686.46,1185 ; v1(1645,142.61) 1649.01,146.62 2103.38,146.62 2185,65 P7.13
  Bottom Layer w10: v1(1505,955) 1505,595 1542,558 1542,278 1645,175 v1(1645,142.61) ; P7.13@2178.23,45.98 P7.13
IO14: P7.11 U7.13 | length 1178.8
  Top Layer w10: v1@1703.81,98 1926.21,98 P7.11
  Bottom Layer w10: v1(1673.15,956.85) 1690,940 1690,820 1700.81,809.19 v1(1700.81,95)
IO15: P7.14 U7.23 | length 1008.9
  Top Layer w10: v1(1619.34,161.2) 1624.57,166.43 2213.57,166.43 2285,95 P7.14
  Top Layer w12: U7.23@1510,268.35 1515,273.35 v1(1515,320)
  Bottom Layer w12: v1(1515,320) 1515,265.53 v1(1619.34,161.2)
IO18: P7.28 RPI1.10 U7.30 | length 2542.2
  Top Layer w12: v1(1805,315) 1845,315 1861.56,298.43 1861.56,266.78 U7.30
  Bottom Layer w12: RPI1.10 785,2065 855,2065 885,2035 885,1979.21 P7.28 925,1920 952,1893 1221.39,1893 1536,1578.39 1536,1338.77 1805,1069.77 v1(1805,315)
IO19: P7.27 RPI1.8 U7.31 | length 2827
  Top Layer w12: RPI1.8 685,2065 960,2065 985,2040 985,1979.21 P7.27 1025,1915.62 1065.62,1875 1410,1875 1505,1780 v1(1505,1195) ; v1(1560,595) 1560,490 1690,360 1830,360 1915.2,274.8 U7.31
  Bottom Layer w12: v1(1505,1195) 1505,1108.04 1560,1053.04 v1(1560,595)
IO21: P4.4 P7.31 R3.1 RPI1.3 U1.24 U7.33 U9.7 | length 4447.5
  Top Layer w8: U1.24 R3.1@2085.83,1514.37 ; P4.4@2257.65,1200 P4.4
  Top Layer w12: RPI1.3 465,2015 510,2060 570.33,2060 590,2040.33 590,1974.21 P7.31 ; v1(1780,500) 1835,500 2015.2,319.8 ; U7.33@2015.2,277.76 2015.2,319.8 ; v1@2095,319.8 2015.2,319.8 ; U9.7 P4.4@2257.65,1200
  Bottom Layer w12: P7.31@626.04,1940 692.04,1874 1213.52,1874 1517,1570.52 1517,1330.9 1779.81,1068.09 1779.81,500.19 v1(1780,500) ; v1(2065,1200) 2084.37,1200 ; v1(2086.46,1515) 2084.37,1512.91 2084.37,1200 ; v1(2095,320) 2095,836.26 2091,840.26 2091,1053.91 2084.37,1060.54 2084.37,1200
IO22: P4.3 P7.32 R4.1 RPI1.5 U1.23 U7.36 U9.8 | length 4355.8
  Top Layer w8: U1.23 2041.62,1498.62 2085.24,1455 R4.1 v1(2110,1455)
  Top Layer w12: v1(1755,530) 1846,530 1996,380 2090,380 2105,365 ; U9.8 v1(2135,1250) 2209.25,1250 P4.3 ; v1(2120,380) 2105,365 ; U7.36 2165.2,304.8 2105,365
  Bottom Layer w12: P7.32 535,1949.21 RPI1.5 ; P7.32@526.04,1940 611.04,1855 1205.65,1855 1498,1562.65 1498,1297 1630.19,1164.81 1630.28,1164.81 1755.47,1039.62 1755,1039.16 v1(1755,530) ; v1(2110,1455) 2110,1250 ; v1(2120,380) 2120,838.13 2110,848.13 2110,1250 ; v1(2135,1250) 2110,1250
IO26: P7.23 U7.11 | length 1189.4
  Top Layer w12: U7.11 1765.2,985.2 1845,1065 v1(1845,1110)
  Bottom Layer w12: P7.23 1425,1790 1593,1622 1593,1392.09 1845,1140.09 v1(1845,1110)
IO27: P7.24 U7.12 | length 1230.8
  Top Layer w12: U7.12 1715.2,985.2 1820,1090 v1(1820,1130)
  Bottom Layer w12: P7.24 1325,1851.87 1574,1602.87 1574,1376 v1(1820,1130)
IO33: P7.22 R14.2 U5.2 U5.3 U7.9 | length 2877.4
  Top Layer w12: v1(440,815) U5.2 U5.3 490,910 515,935 R14.2 ; v1(1245,865) 1820,865 1865.2,910.2 U7.9
  Bottom Layer w12: v1(440,815) 460,835 1215,835 v1(1245,865) ; P7.22 1585,1745 1660,1670 1660,1351.96 1875,1136.96 v1(1875,960)
IO34: P7.15 U7.6 | length 1277.8
  Top Layer w12: U7.6 2015.2,1015.2 2026,1026 2142.87,1026 2246.87,1130 2336.14,1130 2361,1154.86 2361,1863.21 P7.15
IO35: P7.16 U7.7 | length 1334.8
  Top Layer w12: U7.7 1965.2,1010.2 2000,1045 2135,1045 2240,1150 2329.27,1150 2342,1162.73 2342,1782.21 P7.16
IO36: P7.9 U7.4 | length 1077.5
  Top Layer w12: v1(2035,890) 2070,890 2120,940 U7.4@2120,952.05
  Bottom Layer w12: P7.9 1795,49.21 1804.21,49.21 2035,280 v1(2035,890)
IO39: P7.10 U7.5 | length 996.3
  Bottom Layer w12: P7.10 1885,60 2070,245 2070,952.05 v1(2065.2,956.85)
LBK: U6.5
MPU_INT: U1.12
NetC4_1: C4.1 U1.10 | length 85.9
  Top Layer w8: C4.1 1823.11,1467.13 U1.10
NetC5_1: C5.1 D2.2 L1.1 U8.1 | length 115
  Top Layer w25: C5.1@1037.37,1440.11 L1.1
NetC5_2: C5.2 U8.8 | length 78.2
  Top Layer w25: C5.2@1094.5,1440.07 1114.22,1420.34 U8.8@1114.22,1370.07
NetC15_1: C15.1 R24.2 | length 65
  Top Layer w25: R24.2@662.41,1290.07 C15.1
NetC15_2: C15.2 U8.3 | length 122.1
  Top Layer w25: C15.2@785.95,1295.07 810.95,1270.07 U8.3@897.69,1270.07
NetLED1_1: LED.1 R7.2 | length 109.2
  Top Layer w10: LED.1 1743.54,1211.46 R7.2@1743.54,1185
NetLED2_1: PWR.1 R17.2 | length 85.1
  Top Layer w10: PWR.1 1685,1646.46 R17.2
NetQ1_1: Q1.1 R9.1 R16.2 | length 344.5
  Top Layer w12: R9.1 339.27,332.63 339.27,491.6 349.93,502.25 377.25,502.25 412.4,537.4 Q1.1@412.4,548.31
  Top Layer w20: R16.2@261.75,332.63 R9.1@339.27,332.63
NetR5_2: R5.2 VT1.1 | length 88.6
  Top Layer w12: R5.2@1143.54,265 1155,276.46 1155,338.11 VT1.1@1162.6,345.71
NetR6_2: R6.2 VT2.1 | length 91
  Top Layer w12: VT2.1 1087.4,449.29 1085,446.89 1085,457.56 1120,492.56 R6.2@1120,505
NetR10_2: R10.2 U1.9 | length 67.5
  Top Layer w8: R10.2 1778.86,1482.87 1823.08,1482.87 U1.9
NetR20_2: R20.2 R23.1 U8.2 | length 201.8
  Top Layer w20: R20.2 R20.2@784.5,1365.07 ; R23.1 R20.2@784.5,1365.07 ; U8.2@897.69,1320.07 850.95,1320.07 805.95,1365.07 R20.2@784.5,1365.07
NetR21_2: R21.2 U8.6 | length 104.1
  Top Layer w25: U8.6 1125.95,1268.61 1164.93,1268.61 R21.2@1195,1238.54
NetR22_2: R22.2 R25.1 U8.4 | length 171.7
  Top Layer w25: R25.1@789.5,1220.07 U8.4@897.69,1220.07 ; R22.2@862.41,1155.07 862.41,1218.61
NetR26_1: R26.1 U10.3 | length 80.6
  Top Layer w25: R26.1@458.54,660 R26.1@460.94,657.6 ; R26.1@466.14,662.6 U10.3
OTG_ID: U3.4
RESET: C1.2 P7.3 R1.1 SW1.1 U7.3 VT1.2 | length 2889.7
  Top Layer w12: v1(1102.17,385) 1118.77,401.61 1228.12,401.61 1232.31,405.79 ; R1.1 1232.31,405.79 ; C1.2@1232.4,265.95 VT1.2 1232.31,345.8 1232.31,405.79 ; R1.1@1233.88,626.46 1276.46,626.46 1300.56,650.56 1300.56,713.67 1326.89,740 v1(1860,740) ; v1(1860,820) 2040,820 2165.2,945.2 U7.3 2165.2,1021.46 2254.74,1111 2346,1111 2380,1145 2380,1655 SW1.1@2420,1695
  Bottom Layer w12: P7.3@1102.17,56.12 v1(1102.17,385) ; v1(1860,740) v1(1860,820) ; v1@1860.73,735.35 v1@1865,739.63
RS: R19.2 U6.8 | length 98.1
  Top Layer w10: 938.54,965 U6.8
RTS: R6.1 U4.24 VT1.3 | length 453.1
  Top Layer w10: U4.24 919.69,375.31 930,365 v1(930,350) ; v1(1140,450) VT1.3@1200,450
  Top Layer w12: R6.1@1175,505 1200,480 VT1.3@1200,450
  Bottom Layer w10: v1(930,350) 930,384.99 956.89,411.88 1101.88,411.88 v1(1140,450)
RXD0: P2.3 U4.26 U7.34 | length 2632.9
  Top Layer w10: U4.26@893.75,415 955,415 985,385 985,250 v1(1015.72,219.28) 1031.39,203.61 2018.61,203.61 U7.34@2060.2,245.2
  Bottom Layer w10: P2.3 160,405 253.42,311.58 253.42,230.32 331.34,152.4 409.2,152.4 468.6,93 582.04,93 641.44,152.4 698.56,152.4 760.96,90 965,90 1033.81,158.81 1033.81,201.19 v1(1015.72,219.28)
TXD0: P2.2 U4.25 U7.35 | length 2721.1
  Top Layer w10: U4.25 945.01,394.99 960,380 960,238.66 v1(1010,188.66) 1010,187.38 1015,182.38 1017.63,185.01 1629.2,185.01 2055,185 2110.2,240.2 U7.35@2110.2,265
  Bottom Layer w10: P2.2 165,505 275,395 275,232.79 337.79,170 415.64,170 475.64,110 575,110 635,170 705,170 765,110 945,110 1010,175 v1(1010,188.66)
VBUS: C10.2 C11.2 D1.1 Q1.3 U3.1 U4.8 | length 576
  Top Layer w18: U3.1@484,190 484,272.44 ; 504.27,454.27 U4.8@696.58,454.27 ; U4.8@693.1,454.46 U4.8@694.74,456.1
  Top Layer w40: Q1.3 461.31,456.69 ; 484,272.44 484,456.69 D1.1@484,485.1
VIN: C6.1 F.2 R9.2 R20.1 U8.7 | length 2354.8
  Bottom Layer w12: v1@340,280 340,795.09 417.91,873 1182.54,873 1284.93,975.39 1285,975.31 v1(1285,1235) ; v1(727.41,1360.07) 727.41,1366.41 760,1399 1241,1399 v1(1260,1380)
  other v1: 339.27,270.54
VIN_N: F.1 JDC.1 P7.8 | length 2454.7
  Bottom Layer w25: 1365,1325 1384.5,1344.5 ; v1(1400,1310) v1@1400,1320 ; 1402.47,1322.47 1409.5,1329.5
  Bottom Layer w50: v1@1404.5,1260 1404.5,219.71 P7.8
  Bottom Layer w70: JDC.1 620.37,1705 620.37,1524.63 698,1447 1277.93,1447 1402.47,1322.47
  other v1: 1375,1260 1400,1260 1425,1260 1375,1285 1400,1285 1425,1285 1375,1310 1425,1310
pads on no net: JDC.3 P7.1 P7.2 RPI1.1 RPI1.7 RPI1.11 RPI1.12 RPI1.13 RPI1.14 RPI1.15 RPI1.16 RPI1.17 RPI1.18 RPI1.19 RPI1.21 RPI1.22 RPI1.23 RPI1.24 RPI1.26 RPI1.27 RPI1.28 RPI1.29 RPI1.31 RPI1.32 RPI1.33 RPI1.35 RPI1.36 RPI1.37 RPI1.38 RPI1.40 S2.MH1 S2.MH2 SW1. SW1.3 SW1.4 U1.2 U1.3 U1.4 U1.5 U1.6 U1.7 U1.14 U1.15 U1.16 U1.17 U1.19 U1.21 U1.25 U4.1 U4.2 U4.9 U4.10 U4.11 U4.12 U4.13 U4.14 U4.15 U4.16 U4.17 U4.18 U4.19 U4.20 U4.21 U4.22 U4.23 U4.27 U7.17 U7.18 U7.19 U7.20 U7.21 U7.22 U7.27 U7.28 U7.32 U9.1 U9.3 U9.4 U9.6 U10.4

## Polygon pours and split planes (outlines as drawn)
GND on Bottom Layer "Bottom Layer-No Net" (solid, remove dead copper, pour order 0): -8.62,2207.9 2556.38,2207.9 2556.38,-2.1 -8.62,-2.1
3.3V on Top Layer "Bottom Layer-No Net" (solid, remove dead copper, pour order 18): 1219,795 1287.56,795 1287.56,726.44 1287.56,710.12 1287.56,660 1215,660 1200,660 1195,660 1195,597.56 1150,597.44 1145,597.44 1145,615 1145,670 675,670 675,795
GND on Top Layer "Bottom Layer-No Net" (solid, remove dead copper, pour order 2): 10,2195 2575,2195 2575,-15 10,-15

## Keep-outs
Keep-Out Layer:
  the board outline again, w10

## Other copper
Top Layer:
  rectangle net 5V: 730,1669.04 1180.95,1810
  region net VIN_N: 1481.83,1220 1481.83,1360 1355,1360 1355,1220
  rectangle net 5V: 675,585 770,660
  region net 3.3V: 410,790 370,790 370,770 410,770
  pour cut-out: 1865.93,1514.07 1944.07,1514.07 1944.07,1428.67 1936.81,1435.93 1865.93,1435.93
  pour cut-out: 1338.16,1368.3 1333.63,1214.23 1349.23,1214.23 1346.84,1363.38 1351.76,1368.3
  region net VIN: 1330,1225 1330,1455 1262,1455 1250.43,1455 1250.43,1440 1251.65,1371.1 1235,1360 1195,1340.87 1065.63,1340.87 1065.63,1300 1162.34,1300 1217.56,1260.12 1235,1225
  region net 3.3V: 675,800 1287.56,800 1287.56,726.44 1275,660 1195,660 1195,597.56 1151.05,597.56 1145,603.61 1145,670 678.73,670 675,673.73
  region net NetC5_1: 870,1610 1310,1610 1310,1505 1065.01,1505 1065.01,1415 960,1415 950,1405 950,1360 890,1360 870,1360 870,1370 870,1480 870,1495
  pour cut-out: 858.9,1656.91 1189.7,1656.91 1189.7,1615.07 858.9,1615.07 858.9,1635
  pour cut-out: 2565,0 2300,0 2295,5 2295,1095 2305,1095 2320,1095 2565,1095
  region net 3.3V: 1920.6,1310.4 1945.54,1283.73 1933.43,1273.43 1931.26,1273.43 1905,1300
Bottom Layer:
  region net VIN_N: 1441.77,1245 1441.77,1329.93 1360,1329.93 1360,1245
  rectangle net 5V: 675,590 745,665
  pour cut-out: 900,1803.23 900,1500 1175,1500 1175,1803.23
  pour cut-out: 2565,0 2300,0 2295,5 2295,1095 2305,1095 2320,1095 2565,1095
  pour cut-out: 1838.07,1541.93 1971.93,1541.93 1971.93,1408.07 1838.07,1408.07

## Silkscreen, mask and mechanical layers (free items; w line width, h text height)
Top Overlay:
  drawing of 457 lines, arcs and shapes, not listed
  text "SCL" at 430,1860 h30 r45
  text "SDA" at 595,1810 h30 r45
  text "5V" at 705,1810 h30 r45
  text "GND" at 805,1805 h30 r45
  text "G18" at 915,1805 h30 r45
  text "G19" at 1010,1805 h30 r45
  text "G23" at 1105,1805 h30 r45
  text "G05" at 1205,1805 h30 r45
  text "G27" at 1315,1805 h30 r45
  text "G26" at 1415,1805 h30 r45
  text "G32" at 1654.81,1774.81 h40 r45
  text "G25" at 1755,1774.81 h40 r45
  text "G04" at 1855,1775 h40 r45
  text "G0" at 1965,1774.81 h40 r45
  text "G02" at 2060,1775 h40 r45
  text "G35" at 2170,1775 h40 r45
  text "G33" at 1555,1770 h40 r45
  text "G34" at 2275,1770 h40 r45
  text "MakerBot" at 1475,1355 h40 r45
  text "V1.0 by makerHN github.com/makerhanoi/maker-bot" at 1410,1000 h25
  text "BANHMI" at 1312.05,945 h100 r45
  text "GND" at 1370,105 h40 r45
  text "GND" at 1470,105 h40 r45
  text "VIN" at 1570,105 h40 r45
  text "G15" at 2260,100 h40 r45
  text "RST" at 1075,95 h40 r45
  text "3V3" at 1170,95 h40 r45
  text "5V" at 1270,95 h40 r45
  text "G36" at 1775,95 h40 r45
  text "G39" at 1875,95 h40 r45
  text "G14" at 1975,95 h40 r45
  text "G12" at 2070,95 h40 r45
  text "G13" at 2160,95 h40 r45
Bottom Overlay:
  drawing of 457 lines, arcs and shapes, not listed

## Text inside footprints (layer, text, board x,y; h text height)
U1: Mechanical 13 "Y" at 1932.56,1479.92 h15.75 r270; Mechanical 13 "x" at 1899.09,1448.43 h15.75 r270; Mechanical 13 "Z" at 1875.47,1501.57 h15.75 r270